# Allegro board buddy_lay_rev1.brd (continued)
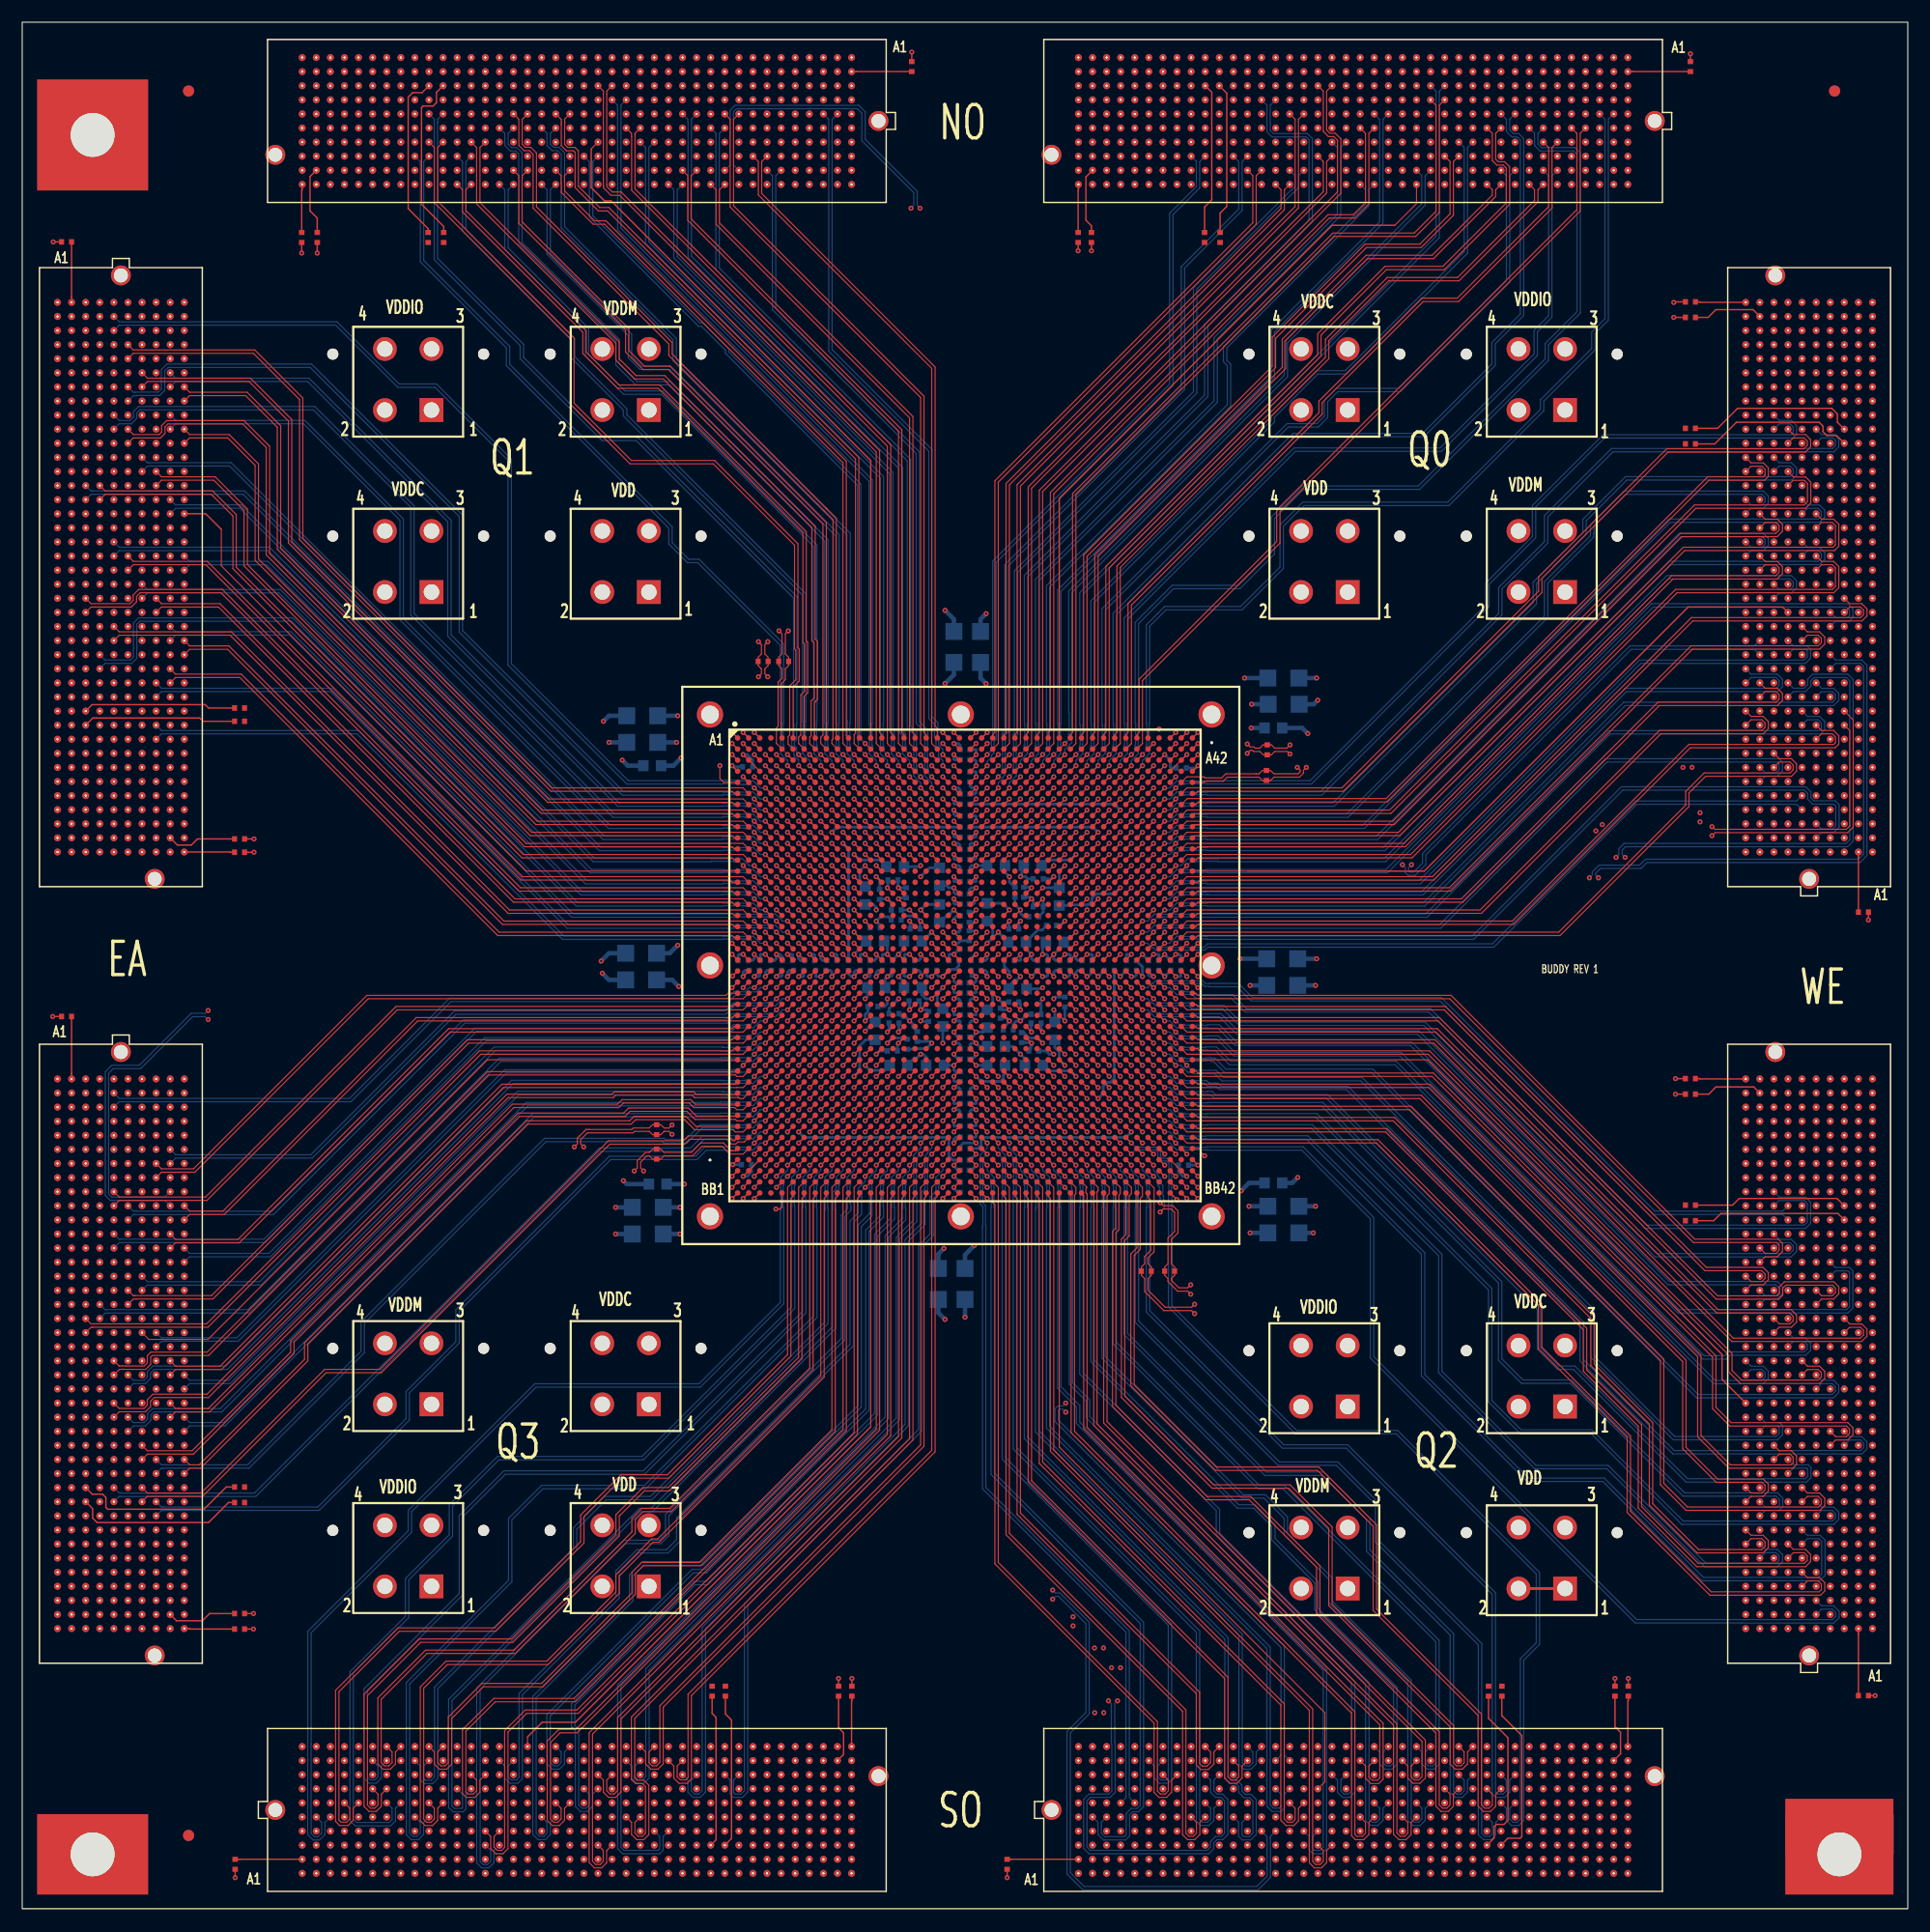
[diagram p0: board, top side]
## Routing (per net, layer and track width the routed paths; a pad name or vN(x,y) marks a point on that pad's centre or on a via; arc(x,y) is an arc through that point) (continued)
 122.69,10.8 ; J5.G23 123.17,10.33 ; 164.28,69.22 J4.C36 ; J4.C36 164.28,70.17 ; J4.C36 163.8,69.69 ; J4.C36 164.75,69.69 ; 12.87,25.24 J7.J40 ; J7.J40 13.35,24.77 ; J7.J40 13.35,25.72 ; J7.J40 13.82,25.24 ; 11.6,96.5 J8.H39 ; J8.H39 12.55,96.5 ; J8.H39 12.07,96.97 ; J8.H39 12.07,96.02 ; J2.J14 128.72,156.66 ; J2.J14 128.25,157.13 ; J2.J14 127.77,156.66 ; J2.J14 128.25,156.18 ; 71.76,10.8 J6.G38 ; J6.G38 72.71,10.8 ; J6.G38 72.23,11.28 ; J6.G38 72.23,10.33 ; 37.94,165.07 J1.B30 ; J1.B30 38.42,165.54 ; J1.B30 37.94,166.02 ; J1.B30 37.47,165.54 ; J2.H3 142.69,157.93 ; J2.H3 141.74,157.93 ; J2.H3 142.22,157.45 ; J2.H3 142.22,158.4 ; 3.19,64.61 3.66,64.61 ; 3.19,64.61 3.19,64.14 ; 3.19,64.61 3.19,65.09 ; 3.19,64.61 2.71,64.61 ; J1.F3 72.71,160.47 ; J1.F3 72.23,159.99 ; J1.F3 71.76,160.47 ; J1.F3 72.23,160.94 ; J1.C36 30.8,164.28 ; J1.C36 30.32,163.8 ; J1.C36 30.32,164.75 ; J1.C36 29.85,164.28 ; J2.J38 97.77,157.13 ; J2.J38 97.29,156.66 ; J2.J38 98.24,156.66 ; J2.J38 97.77,156.18 ; 164.28,53.98 J4.C24 ; J4.C24 164.75,54.45 ; J4.C24 164.28,54.93 ; J4.C24 163.8,54.45 ; 14.62,96.5 15.09,96.5 ; 14.62,96.5 14.62,96.02 ; 14.62,96.5 14.14,96.5 ; 14.62,96.5 14.62,96.97 ; J5.E26 127.45,8.27 ; J5.E26 126.98,7.79 ; J5.E26 126.5,8.27 ; J5.E26 126.98,8.74 ; 125.71,5.25 125.71,5.72 ; 125.71,5.72 125.23,5.72 ; 125.71,5.72 126.18,5.72 ; 125.71,5.72 125.71,6.2 ; J1.K21 49.85,155.38 ; J1.K21 49.37,154.91 ; J1.K21 49.37,155.86 ; J1.K21 48.9,155.38 ; 118.09,3.98 J5.B19 ; J5.B19 117.61,4.46 ; J5.B19 118.56,4.46 ; J5.B19 118.09,4.93 ; J4.F2 160.94,26.51 ; J4.F2 160.47,26.99 ; J4.F2 160.47,26.04 ; J4.F2 159.99,26.51 ; 68.42,162.53 J1.D6 ; J1.D6 68.42,163.48 ; J1.D6 68.9,163 ; J1.D6 67.95,163 ; 161.74,94.75 161.74,95.23 ; 161.74,95.23 161.26,95.23 ; 161.74,95.23 162.21,95.23 ; 161.74,95.23 161.74,95.7 ; 122.69,8.27 J5.E23 ; J5.E23 123.64,8.27 ; J5.E23 123.17,8.74 ; J5.E23 123.17,7.79 ; J2.F24 116.02,160.47 ; J2.F24 115.55,159.99 ; J2.F24 115.07,160.47 ; J2.F24 115.55,160.94 ; 12.87,39.21 J7.J29 ; J7.J29 13.82,39.21 ; J7.J29 13.35,39.69 ; J7.J29 13.35,38.74 ; J5.H6 102.05,12.07 ; J5.H6 101.1,12.07 ; J5.H6 101.58,12.55 ; J5.H6 101.58,11.6 ; 3.19,109.99 3.19,110.47 ; 3.19,110.47 3.66,110.47 ; 3.19,110.47 2.71,110.47 ; 3.19,110.47 3.19,110.94 ; J5.D7 102.85,7.47 ; J5.D7 103.32,7 ; J5.D7 102.37,7 ; J5.D7 102.85,6.52 ; J6.A32 65.09,3.19 ; J6.A32 64.61,2.71 ; J6.A32 64.61,3.66 ; J6.A32 64.14,3.19 ; 26.04,14.62 J6.K2 ; J6.K2 26.99,14.62 ; J6.K2 26.51,14.14 ; J6.K2 26.51,15.09 ; J2.H24 115.55,158.4 ; J2.H24 116.02,157.93 ; J2.H24 115.07,157.93 ; J2.H24 115.55,157.45 ; 45.56,5.72 46.04,5.72 ; 45.56,5.72 45.56,5.25 ; 45.56,5.72 45.56,6.2 ; 45.56,5.72 45.09,5.72 ; 29.05,12.87 29.05,13.35 ; 29.05,13.35 28.58,13.35 ; 29.05,13.35 29.05,13.82 ; 29.05,13.35 29.53,13.35 ; 35.4,14.14 J6.K9 ; J6.K9 35.88,14.62 ; J6.K9 34.93,14.62 ; J6.K9 35.4,15.09 ; J2.A5 140.15,166.81 ; J2.A5 139.2,166.81 ; J2.A5 139.68,166.34 ; J2.A5 139.68,167.29 ; 3.19,109.2 3.19,109.67 ; 3.19,109.2 2.71,109.2 ; 3.19,109.2 3.19,108.72 ; 3.19,109.2 3.66,109.2 ; J2.H39 96.97,157.93 ; J2.H39 96.02,157.93 ; J2.H39 96.5,158.4 ; J2.H39 96.5,157.45 ; 138.41,159.99 J2.F6 ; J2.F6 137.93,160.47 ; J2.F6 138.88,160.47 ; J2.F6 138.41,160.94 ; 163,32.39 J4.D7 ; J4.D7 163.48,32.86 ; J4.D7 163,33.34 ; J4.D7 162.53,32.86 ; J3.A9 167.29,105.39 ; J3.A9 166.81,105.86 ; J3.A9 166.34,105.39 ; J3.A9 166.81,104.91 ; 161.74,142.22 161.74,142.69 ; 161.74,142.22 161.74,141.74 ; 161.74,142.22 162.21,142.22 ; 161.74,142.22 161.26,142.22 ; 160.47,46.36 J4.F18 ; J4.F18 160.47,47.31 ; J4.F18 159.99,46.83 ; J4.F18 160.94,46.83 ; 4.46,96.02 4.46,96.5 ; 4.46,96.5 4.46,96.97 ; 4.46,96.5 3.98,96.5 ; 4.46,96.5 4.93,96.5 ; J5.A29 130.79,3.66 ; J5.A29 130.79,2.71 ; J5.A29 131.26,3.19 ; J5.A29 130.31,3.19 ; 155.38,50.17 J4.K21 ; J4.K21 155.86,50.64 ; J4.K21 155.38,51.12 ; J4.K21 154.91,50.64 ; J8.K6 15.09,138.41 ; J8.K6 14.62,137.93 ; J8.K6 14.62,138.88 ; J8.K6 14.14,138.41 ; 132.85,165.54 J2.B10 ; J2.B10 133.8,165.54 ; J2.B10 133.33,165.07 ; J2.B10 133.33,166.02 ; J1.C28 40.96,164.28 ; J1.C28 40.48,163.8 ; J1.C28 40.48,164.75 ; J1.C28 40.01,164.28 ; J4.B26 166.02,56.99 ; J4.B26 165.54,57.47 ; J4.B26 165.07,56.99 ; J4.B26 165.54,56.52 ; 5.72,119.36 5.72,119.83 ; 5.72,119.36 5.72,118.88 ; 5.72,119.36 6.2,119.36 ; 5.72,119.36 5.25,119.36 ; 144.76,12.87 J5.J40 ; J5.J40 144.76,13.82 ; J5.J40 144.28,13.35 ; J5.J40 145.23,13.35 ; 74.3,159.19 J1.G1 ; J1.G1 74.77,158.72 ; J1.G1 75.25,159.19 ; J1.G1 74.77,159.67 ; J4.K36 155.86,69.69 ; J4.K36 155.38,70.17 ; J4.K36 154.91,69.69 ; J4.K36 155.38,69.22 ; 25.24,13.35 25.72,13.35 ; 25.24,13.35 25.24,12.87 ; 25.24,13.35 24.77,13.35 ; 25.24,13.35 25.24,13.82 ; 73.5,14.62 73.5,15.09 ; 73.5,14.62 73.5,14.14 ; 73.5,14.62 73.03,14.62 ; 73.5,14.62 73.98,14.62 ; 5.25,70.96 5.72,70.96 ; 5.72,70.96 5.72,70.49 ; 5.72,70.96 6.2,70.96 ; 5.72,70.96 5.72,71.44 ; 11.6,45.56 J7.H24 ; J7.H24 12.07,45.09 ; J7.H24 12.55,45.56 ; J7.H24 12.07,46.04 ; 165.54,126.5 J3.B26 ; J3.B26 166.02,126.98 ; J3.B26 165.07,126.98 ; J3.B26 165.54,127.45 ; J1.B11 62.07,166.02 ; J1.B11 62.07,165.07 ; J1.B11 61.6,165.54 ; J1.B11 62.55,165.54 ; 58.26,14.62 58.74,14.62 ; 58.26,14.62 58.26,14.14 ; 58.26,14.62 57.79,14.62 ; 58.26,14.62 58.26,15.09 ; 49.37,3.19 49.85,3.19 ; 49.37,3.19 49.37,2.71 ; 49.37,3.19 48.9,3.19 ; 49.37,3.19 49.37,3.66 ; J6.K21 51.12,14.62 ; J6.K21 50.17,14.62 ; J6.K21 50.64,14.14 ; J6.K21 50.64,15.09 ; J17.1 38.14,45.45 ; J17.1 35.66,45.45 ; J17.1 36.9,46.69 ; J17.1 36.9,44.21 ; 161.74,45.56 161.74,46.04 ; 161.74,45.56 162.21,45.56 ; 161.74,45.56 161.74,45.09 ; 161.74,45.56 161.26,45.56 ; 156.18,142.22 J3.J38 ; J3.J38 156.66,141.74 ; J3.J38 157.13,142.22 ; J3.J38 156.66,142.69 ; 161.74,34.13 162.21,34.13 ; 161.74,34.13 161.74,34.61 ; 161.74,34.13 161.26,34.13 ; 161.74,34.13 161.74,33.66 ; J6.D16 44.77,7 ; J6.D16 44.29,7.47 ; J6.D16 43.82,7 ; J6.D16 44.29,6.52 ; 10.8,65.88 11.28,65.88 ; 10.8,65.88 10.8,66.36 ; 10.8,65.88 10.33,65.88 ; 10.8,65.88 10.8,65.41 ; J5.B22 121.9,4.93 ; J5.B22 122.37,4.46 ; J5.B22 121.42,4.46 ; J5.B22 121.9,3.98 ; 53.18,157.45 J1.H18 ; J1.H18 52.71,157.93 ; J1.H18 53.66,157.93 ; J1.H18 53.18,158.4 ; J3.G14 159.19,112.21 ; J3.G14 159.19,111.26 ; J3.G14 158.72,111.74 ; J3.G14 159.67,111.74 ; 164.28,109.99 J3.C13 ; J3.C13 163.8,110.47 ; J3.C13 164.28,110.94 ; J3.C13 164.75,110.47 ; 161.74,56.52 161.74,56.99 ; 161.74,56.99 161.74,57.47 ; 161.74,56.99 161.26,56.99 ; 161.74,56.99 162.21,56.99 ; 60.33,10.8 J6.G29 ; J6.G29 60.8,11.28 ; J6.G29 61.28,10.8 ; J6.G29 60.8,10.33 ; 53.98,5.72 54.45,5.72 ; 54.45,5.72 54.93,5.72 ; 54.45,5.72 54.45,5.25 ; 54.45,5.72 54.45,6.2 ; 5.72,134.6 6.2,134.6 ; 5.72,134.6 5.25,134.6 ; 5.72,134.6 5.72,135.07 ; 5.72,134.6 5.72,134.12 ; 64.14,157.93 J1.H9 ; J1.H9 65.09,157.93 ; J1.H9 64.61,157.45 ; J1.H9 64.61,158.4 ; J4.A1 167.29,25.24 ; J4.A1 166.81,24.77 ; J4.A1 166.34,25.24 ; J4.A1 166.81,25.72 ; 113.01,161.26 113.01,161.74 ; 113.01,161.74 112.53,161.74 ; 113.01,161.74 113.01,162.21 ; 113.01,161.74 113.48,161.74 ; J3.A29 166.81,131.26 ; J3.A29 167.29,130.79 ; J3.A29 166.81,130.31 ; J3.A29 166.34,130.79 ; 161.74,24.77 161.74,25.24 ; 161.74,25.24 161.74,25.72 ; 161.74,25.24 162.21,25.24 ; 161.74,25.24 161.26,25.24 ; 27.78,165.07 J1.B38 ; J1.B38 27.31,165.54 ; J1.B38 27.78,166.02 ; J1.B38 28.26,165.54 ; 120.15,164.28 J2.C20 ; J2.C20 121.1,164.28 ; J2.C20 120.63,164.75 ; J2.C20 120.63,163.8 ; 38.74,5.72 39.21,5.72 ; 39.21,5.72 39.69,5.72 ; 39.21,5.72 39.21,5.25 ; 39.21,5.72 39.21,6.2 ; J3.K33 155.86,135.87 ; J3.K33 155.38,135.39 ; J3.K33 155.38,136.34 ; J3.K33 154.91,135.87 ; 6.52,138.41 J8.D6 ; J8.D6 7,138.88 ; J8.D6 7,137.93 ; J8.D6 7.47,138.41 ; 161.74,99.04 161.74,99.51 ; 161.74,99.04 162.21,99.04 ; 161.74,99.04 161.74,98.56 ; 161.74,99.04 161.26,99.04 ; J7.J17 13.35,54.93 ; J7.J17 13.35,53.98 ; J7.J17 13.82,54.45 ; J7.J17 12.87,54.45 ; J3.H33 158.4,135.87 ; J3.H33 157.45,135.87 ; J3.H33 157.93,136.34 ; J3.H33 157.93,135.39 ; 156.18,37.94 J4.J11 ; J4.J11 157.13,37.94 ; J4.J11 156.66,37.47 ; J4.J11 156.66,38.42 ; 165.07,63.34 J4.B31 ; J4.B31 165.54,62.87 ; J4.B31 166.02,63.34 ; J4.B31 165.54,63.82 ; 6.52,63.34 J7.D10 ; J7.D10 7,63.82 ; J7.D10 7.47,63.34 ; J7.D10 7,62.87 ; J4.J8 157.13,34.13 ; J4.J8 156.66,33.66 ; J4.J8 156.18,34.13 ; J4.J8 156.66,34.61 ; J8.J32 13.35,105.86 ; J8.J32 13.82,105.39 ; J8.J32 13.35,104.91 ; J8.J32 12.87,105.39 ; J7.G20 10.8,51.12 ; J7.G20 11.28,50.64 ; J7.G20 10.8,50.17 ; J7.G20 10.33,50.64 ; J2.H15 126.98,158.4 ; J2.H15 126.5,157.93 ; J2.H15 127.45,157.93 ; J2.H15 126.98,157.45 ; 3.19,139.68 3.19,140.15 ; 3.19,139.68 3.66,139.68 ; 3.19,139.68 3.19,139.2 ; 3.19,139.68 2.71,139.68 ; 161.74,100.31 161.74,100.78 ; 161.74,100.31 161.74,99.83 ; 161.74,100.31 161.26,100.31 ; 161.74,100.31 162.21,100.31 ; J6.H36 70.17,12.07 ; J6.H36 69.22,12.07 ; J6.H36 69.69,12.55 ; J6.H36 69.69,11.6 ; J2.J20 120.63,157.13 ; J2.J20 120.63,156.18 ; J2.J20 121.1,156.66 ; J2.J20 120.15,156.66 ; 8.27,42.55 J7.E26 ; J7.E26 8.27,43.5 ; J7.E26 8.74,43.02 ; J7.E26 7.79,43.02 ; 5.72,114.28 5.72,114.75 ; 5.72,114.28 5.72,113.8 ; 5.72,114.28 6.2,114.28 ; 5.72,114.28 5.25,114.28 ; 104.12,154.91 J2.K33 ; J2.K33 104.12,155.86 ; J2.K33 103.64,155.38 ; J2.K33 104.59,155.38 ; 156.18,68.42 J4.J35 ; J4.J35 157.13,68.42 ; J4.J35 156.66,68.9 ; J4.J35 156.66,67.95 ; J6.H33 65.88,12.55 ; J6.H33 65.88,11.6 ; J6.H33 65.41,12.07 ; J6.H33 66.36,12.07 ; 7,43.82 J7.D25 ; J7.D25 7,44.77 ; J7.D25 7.47,44.29 ; J7.D25 6.52,44.29 ; J3.H2 158.4,96.5 ; J3.H2 157.93,96.02 ; J3.H2 157.45,96.5 ; J3.H2 157.93,96.97 ; 9.06,72.23 J7.F3 ; J7.F3 9.54,71.76 ; J7.F3 10.01,72.23 ; J7.F3 9.54,72.71 ; J3.B27 166.02,128.25 ; J3.B27 165.07,128.25 ; J3.B27 165.54,128.72 ; J3.B27 165.54,127.77 ; J6.K15 43.5,14.62 ; J6.K15 43.02,14.14 ; J6.K15 43.02,15.09 ; J6.K15 42.55,14.62 ; J2.F36 100.31,160.94 ; J2.F36 99.83,160.47 ; J2.F36 100.78,160.47 ; J2.F36 100.31,159.99 ; 165.54,57.79 J4.B27 ; J4.B27 165.07,58.26 ; J4.B27 165.54,58.74 ; J4.B27 166.02,58.26 ; J1.C38 27.78,164.75 ; J1.C38 27.31,164.28 ; J1.C38 27.78,163.8 ; J1.C38 28.26,164.28 ; J2.K39 96.97,155.38 ; J2.K39 96.5,155.86 ; J2.K39 96.02,155.38 ; J2.K39 96.5,154.91 ; 34.93,5.72 35.4,5.72 ; 35.4,5.72 35.4,6.2 ; 35.4,5.72 35.4,5.25 ; 35.4,5.72 35.88,5.72 ; J2.H27 112.21,157.93 ; J2.H27 111.74,158.4 ; J2.H27 111.74,157.45 ; J2.H27 111.26,157.93 ; J3.J1 157.13,95.23 ; J3.J1 156.18,95.23 ; J3.J1 156.66,94.75 ; J3.J1 156.66,95.7 ; 35.4,3.19 35.88,3.19 ; 35.4,3.19 35.4,2.71 ; 35.4,3.19 34.93,3.19 ; 35.4,3.19 35.4,3.66 ; 24.77,8.27 25.24,8.27 ; 25.24,8.27 25.24,8.74 ; 25.24,8.27 25.24,7.79 ; 25.24,8.27 25.72,8.27 ; 165.54,132.85 J3.B31 ; J3.B31 166.02,133.33 ; J3.B31 165.54,133.8 ; J3.B31 165.07,133.33 ; 45.56,2.71 45.56,3.19 ; 45.56,3.19 46.04,3.19 ; 45.56,3.19 45.56,3.66 ; 45.56,3.19 45.09,3.19 ; 55.72,5.25 55.72,5.72 ; 55.72,5.72 55.72,6.2 ; 55.72,5.72 55.25,5.72 ; 55.72,5.72 56.2,5.72 ; J2.F2 143.49,160.94 ; J2.F2 143.01,160.47 ; J2.F2 143.96,160.47 ; J2.F2 143.49,159.99 ; 13.35,57.79 J7.J14 ; J7.J14 13.82,58.26 ; J7.J14 12.87,58.26 ; J7.J14 13.35,58.74 ; J8.B15 4.93,126.98 ; J8.B15 4.46,126.5 ; J8.B15 3.98,126.98 ; J8.B15 4.46,127.45 ; J2.G8 136.34,159.19 ; J2.G8 135.87,158.72 ; J2.G8 135.87,159.67 ; J2.G8 135.39,159.19 ; 113.8,7 J5.D16 ; J5.D16 114.28,6.52 ; J5.D16 114.28,7.47 ; J5.D16 114.75,7 ; J8.B14 4.46,128.72 ; J8.B14 4.93,128.25 ; J8.B14 3.98,128.25 ; J8.B14 4.46,127.77 ; 159.99,54.45 J4.F24 ; J4.F24 160.47,54.93 ; J4.F24 160.47,53.98 ; J4.F24 160.94,54.45 ; J4.B18 165.54,47.31 ; J4.B18 165.54,46.36 ; J4.B18 165.07,46.83 ; J4.B18 166.02,46.83 ; 52.3,44.21 J18.2 ; J18.2 51.06,45.45 ; J18.2 53.54,45.45 ; J18.2 52.3,46.69 ; J2.A4 141.42,166.81 ; J2.A4 140.95,167.29 ; J2.A4 140.47,166.81 ; J2.A4 140.95,166.34 ; 7.79,116.82 J8.E23 ; J8.E23 8.27,117.29 ; J8.E23 8.27,116.34 ; J8.E23 8.74,116.82 ; 111.26,160.47 J2.F27 ; J2.F27 111.74,159.99 ; J2.F27 112.21,160.47 ; J2.F27 111.74,160.94 ; 139.2,14.62 139.68,14.62 ; 139.68,14.62 140.15,14.62 ; 139.68,14.62 139.68,14.14 ; 139.68,14.62 139.68,15.09 ; 27.78,6.52 J6.D3 ; J6.D3 27.78,7.47 ; J6.D3 28.26,7 ; J6.D3 27.31,7 ; J2.G23 116.82,159.67 ; J2.G23 116.82,158.72 ; J2.G23 117.29,159.19 ; J2.G23 116.34,159.19 ; J4.D22 163,52.39 ; J4.D22 163.48,51.91 ; J4.D22 162.53,51.91 ; J4.D22 163,51.44 ; J2.G26 113.01,159.67 ; J2.G26 113.48,159.19 ; J2.G26 113.01,158.72 ; J2.G26 112.53,159.19 ; J8.D7 7.47,137.14 ; J8.D7 7,136.66 ; J8.D7 7,137.61 ; J8.D7 6.52,137.14 ; 160.47,69.22 J4.F36 ; J4.F36 159.99,69.69 ; J4.F36 160.94,69.69 ; J4.F36 160.47,70.17 ; J4.D10 163,37.15 ; J4.D10 162.53,36.67 ; J4.D10 163.48,36.67 ; J4.D10 163,36.2 ; 5.72,129.52 6.2,129.52 ; 5.72,129.52 5.72,129.04 ; 5.72,129.52 5.72,129.99 ; 5.72,129.52 5.25,129.52 ; 137.86,135.05 J14.1 ; J14.1 139.1,136.29 ; J14.1 139.1,133.81 ; J14.1 140.34,135.05 ; J5.A37 140.95,3.66 ; J5.A37 140.47,3.19 ; J5.A37 141.42,3.19 ; J5.A37 140.95,2.71 ; 161.74,107.45 161.74,107.93 ; 161.74,107.93 161.74,108.4 ; 161.74,107.93 162.21,107.93 ; 161.74,107.93 161.26,107.93 ; J5.B3 98.24,4.46 ; J5.B3 97.77,3.98 ; J5.B3 97.29,4.46 ; J5.B3 97.77,4.93 ; J6.J38 72.71,13.35 ; J6.J38 72.23,12.87 ; J6.J38 72.23,13.82 ; J6.J38 71.76,13.35 ; 125.71,2.71 125.71,3.19 ; 125.71,3.19 125.71,3.66 ; 125.71,3.19 125.23,3.19 ; 125.71,3.19 126.18,3.19 ; J4.G29 159.67,60.8 ; J4.G29 159.19,61.28 ; J4.G29 158.72,60.8 ; J4.G29 159.19,60.33 ; 10.8,53.98 J7.G17 ; J7.G17 10.8,54.93 ; J7.G17 10.33,54.45 ; J7.G17 11.28,54.45 ; 4.46,97.29 4.46,97.77 ; 4.46,97.77 3.98,97.77 ; 4.46,97.77 4.46,98.24 ; 4.46,97.77 4.93,97.77 ; 9.54,26.04 9.54,26.51 ; 9.54,26.51 10.01,26.51 ; 9.54,26.51 9.54,26.99 ; 9.54,26.51 9.06,26.51 ; 54.45,14.14 J6.K24 ; J6.K24 54.93,14.62 ; J6.K24 53.98,14.62 ; J6.K24 54.45,15.09 ; 7,26.51 7.47,26.51 ; 7,26.51 7,26.04 ; 7,26.51 7,26.99 ; 7,26.51 6.52,26.51 ; 59.53,2.71 J6.A28 ; J6.A28 59.53,3.66 ; J6.A28 60.01,3.19 ; J6.A28 59.06,3.19 ; 57.79,9.54 58.26,9.54 ; 58.26,9.54 58.74,9.54 ; 58.26,9.54 58.26,9.06 ; 58.26,9.54 58.26,10.01 ; 3.19,44.29 3.19,44.77 ; 3.19,44.29 3.19,43.82 ; 3.19,44.29 3.66,44.29 ; 3.19,44.29 2.71,44.29 ; J3.J14 157.13,111.74 ; J3.J14 156.66,112.21 ; J3.J14 156.18,111.74 ; J3.J14 156.66,111.26 ; J15.2 115.3,119.89 ; J15.2 114.06,118.65 ; J15.2 116.54,118.65 ; J15.2 115.3,117.41 ; 62.07,4.46 62.55,4.46 ; 62.07,4.46 62.07,3.98 ; 62.07,4.46 61.6,4.46 ; 62.07,4.46 62.07,4.93 ; 118.88,160.47 J2.F21 ; J2.F21 119.83,160.47 ; J2.F21 119.36,159.99 ; J2.F21 119.36,160.94 ; 46.83,158.72 J1.G23 ; J1.G23 46.36,159.19 ; J1.G23 47.31,159.19 ; J1.G23 46.83,159.67 ; 13.35,139.68 13.35,140.15 ; 13.35,139.68 13.35,139.2 ; 13.35,139.68 12.87,139.68 ; 13.35,139.68 13.82,139.68 ; J3.H9 158.4,105.39 ; J3.H9 157.93,104.91 ; J3.H9 157.93,105.86 ; J3.H9 157.45,105.39 ; 165.07,143.49 J3.B39 ; J3.B39 166.02,143.49 ; J3.B39 165.54,143.01 ; J3.B39 165.54,143.96 ; J8.G23 10.8,117.29 ; J8.G23 10.8,116.34 ; J8.G23 11.28,116.82 ; J8.G23 10.33,116.82 ; 52.3,27.81 J20.2 ; J20.2 52.3,30.29 ; J20.2 53.54,29.05 ; J20.2 51.06,29.05 ; 162.53,96.5 J3.D2 ; J3.D2 163,96.97 ; J3.D2 163,96.02 ; J3.D2 163.48,96.5 ; 119.36,5.72 119.83,5.72 ; 119.36,5.72 118.88,5.72 ; 119.36,5.72 119.36,6.2 ; 119.36,5.72 119.36,5.25 ; 41.28,10.8 41.75,10.8 ; 41.75,10.8 42.23,10.8 ; 41.75,10.8 41.75,10.33 ; 41.75,10.8 41.75,11.28 ; 9.54,29.85 9.54,30.32 ; 9.54,30.32 10.01,30.32 ; 9.54,30.32 9.06,30.32 ; 9.54,30.32 9.54,30.8 ; 5.72,27.31 J7.C38 ; J7.C38 6.2,27.78 ; J7.C38 5.72,28.26 ; J7.C38 5.25,27.78 ; J8.B10 4.93,133.33 ; J8.B10 3.98,133.33 ; J8.B10 4.46,133.8 ; J8.B10 4.46,132.85 ; 13.35,61.6 J7.J11 ; J7.J11 13.82,62.07 ; J7.J11 13.35,62.55 ; J7.J11 12.87,62.07 ; J3.D25 163,126.18 ; J3.D25 162.53,125.71 ; J3.D25 163.48,125.71 ; J3.D25 163,125.23 ; 123.17,165.07 J2.B18 ; J2.B18 123.17,166.02 ; J2.B18 122.69,165.54 ; J2.B18 123.64,165.54 ; J3.A25 166.81,126.18 ; J3.A25 167.29,125.71 ; J3.A25 166.81,125.23 ; J3.A25 166.34,125.71 ; 4.46,36.2 J7.B31 ; J7.B31 4.93,36.67 ; J7.B31 3.98,36.67 ; J7.B31 4.46,37.15 ; J4.C16 164.28,44.77 ; J4.C16 163.8,44.29 ; J4.C16 164.28,43.82 ; J4.C16 164.75,44.29 ; 55.26,45.45 J18.1 ; J18.1 56.5,46.69 ; J18.1 57.74,45.45 ; J18.1 56.5,44.21 ; 7.79,74.77 8.27,74.77 ; 8.27,74.77 8.27,75.25 ; 8.27,74.77 8.74,74.77 ; 8.27,74.77 8.27,74.3 ; 3.98,68.42 J7.B6 ; J7.B6 4.93,68.42 ; J7.B6 4.46,68.9 ; J7.B6 4.46,67.95 ; 115.55,3.19 115.55,3.66 ; 115.55,3.19 115.55,2.71 ; 115.55,3.19 116.02,3.19 ; 115.55,3.19 115.07,3.19 ; 5.72,130.79 5.72,131.26 ; 5.72,130.79 5.72,130.31 ; 5.72,130.79 6.2,130.79 ; 5.72,130.79 5.25,130.79 ; J8.J38 13.82,97.77 ; J8.J38 12.87,97.77 ; J8.J38 13.35,97.29 ; J8.J38 13.35,98.24 ; 129.52,166.34 J2.A13 ; J2.A13 129.04,166.81 ; J2.A13 129.52,167.29 ; J2.A13 129.99,166.81 ; 107.93,8.27 107.93,8.74 ; 107.93,8.27 107.45,8.27 ; 107.93,8.27 108.4,8.27 ; 107.93,8.27 107.93,7.79 ; 143.49,14.14 143.49,14.62 ; 143.49,14.62 143.01,14.62 ; 143.49,14.62 143.49,15.09 ; 143.49,14.62 143.96,14.62 ; J8.G38 11.28,97.77 ; J8.G38 10.8,98.24 ; J8.G38 10.8,97.29 ; J8.G38 10.33,97.77 ; 116.34,14.62 J5.K18 ; J5.K18 116.82,14.14 ; J5.K18 117.29,14.62 ; J5.K18 116.82,15.09 ; 104.91,156.66 J2.J32 ; J2.J32 105.86,156.66 ; J2.J32 105.39,156.18 ; J2.J32 105.39,157.13 ; 159.99,135.87 J3.F33 ; J3.F33 160.47,136.34 ; J3.F33 160.47,135.39 ; J3.F33 160.94,135.87 ; 139.2,9.54 139.68,9.54 ; 139.68,9.54 139.68,9.06 ; 139.68,9.54 139.68,10.01 ; 139.68,9.54 140.15,9.54 ; J4.G23 159.67,53.18 ; J4.G23 159.19,52.71 ; J4.G23 159.19,53.66 ; J4.G23 158.72,53.18 ; 5.25,35.4 J7.C32 ; J7.C32 6.2,35.4 ; J7.C32 5.72,35.88 ; J7.C32 5.72,34.93 ; 156.18,123.17 J3.J23 ; J3.J23 156.66,122.69 ; J3.J23 157.13,123.17 ; J3.J23 156.66,123.64 ; J4.C1 164.75,25.24 ; J4.C1 164.28,24.77 ; J4.C1 163.8,25.24 ; J4.C1 164.28,25.72 ; 5.25,34.13 J7.C33 ; J7.C33 5.72,33.66 ; J7.C33 6.2,34.13 ; J7.C33 5.72,34.61 ; 41.75,8.27 41.75,8.74 ; 41.75,8.27 41.28,8.27 ; 41.75,8.27 42.23,8.27 ; 41.75,8.27 41.75,7.79 ; 156.66,60.33 J4.J29 ; J4.J29 156.66,61.28 ; J4.J29 156.18,60.8 ; J4.J29 157.13,60.8 ; 7.79,69.69 8.27,69.69 ; 8.27,69.69 8.74,69.69 ; 8.27,69.69 8.27,69.22 ; 8.27,69.69 8.27,70.17 ; J2.F9 135.07,160.47 ; J2.F9 134.12,160.47 ; J2.F9 134.6,159.99 ; J2.F9 134.6,160.94 ; 37.47,4.46 J6.B11 ; J6.B11 37.94,3.98 ; J6.B11 38.42,4.46 ; J6.B11 37.94,4.93 ; J1.A9 64.61,167.29 ; J1.A9 65.09,166.81 ; J1.A9 64.14,166.81 ; J1.A9 64.61,166.34 ; 157.45,46.83 J4.H18 ; J4.H18 158.4,46.83 ; J4.H18 157.93,46.36 ; J4.H18 157.93,47.31 ; J3.C17 164.75,115.55 ; J3.C17 163.8,115.55 ; J3.C17 164.28,116.02 ; J3.C17 164.28,115.07 ; 7.79,139.68 8.27,139.68 ; 8.27,139.68 8.27,140.15 ; 8.27,139.68 8.74,139.68 ; 8.27,139.68 8.27,139.2 ; J7.G32 10.8,35.88 ; J7.G32 11.28,35.4 ; J7.G32 10.8,34.93 ; J7.G32 10.33,35.4 ; J8.D13 7.47,129.52 ; J8.D13 7,129.99 ; J8.D13 7,129.04 ; J8.D13 6.52,129.52 ; 134.9,133.81 J14.2 ; J14.2 136.14,135.05 ; J14.2 133.66,135.05 ; J14.2 134.9,136.29 ; 144.28,3.19 J5.A40 ; J5.A40 144.76,3.66 ; J5.A40 145.23,3.19 ; J5.A40 144.76,2.71 ; 11.6,143.49 J8.H2 ; J8.H2 12.07,143.01 ; J8.H2 12.55,143.49 ; J8.H2 12.07,143.96 ; 8.27,108.72 J8.E29 ; J8.E29 8.74,109.2 ; J8.E29 7.79,109.2 ; J8.E29 8.27,109.67 ; 163.8,35.4 J4.C9 ; J4.C9 164.75,35.4 ; J4.C9 164.28,35.88 ; J4.C9 164.28,34.93 ; 29.85,160.47 J1.F36 ; J1.F36 30.32,159.99 ; J1.F36 30.32,160.94 ; J1.F36 30.8,160.47 ; J7.K30 14.62,38.42 ; J7.K30 15.09,37.94 ; J7.K30 14.62,37.47 ; J7.K30 14.14,37.94 ; J2.D19 122.37,163 ; J2.D19 121.9,163.48 ; J2.D19 121.9,162.53 ; J2.D19 121.42,163 ; 7.79,140.95 8.27,140.95 ; 8.27,140.95 8.27,141.42 ; 8.27,140.95 8.27,140.47 ; 8.27,140.95 8.74,140.95 ; 48.1,165.07 J1.B22 ; J1.B22 48.58,165.54 ; J1.B22 47.63,165.54 ; J1.B22 48.1,166.02 ; J4.G14 159.19,42.23 ; J4.G14 159.19,41.28 ; J4.G14 159.67,41.75 ; J4.G14 158.72,41.75 ; J1.K33 34.13,155.86 ; J1.K33 34.13,154.91 ; J1.K33 33.66,155.38 ; J1.K33 34.61,155.38 ; 159.99,97.77 J3.F3 ; J3.F3 160.47,97.29 ; J3.F3 160.47,98.24 ; J3.F3 160.94,97.77 ; J4.J5 157.13,30.32 ; J4.J5 156.66,29.85 ; J4.J5 156.18,30.32 ; J4.J5 156.66,30.8 ; J3.B34 166.02,137.14 ; J3.B34 165.54,137.61 ; J3.B34 165.07,137.14 ; J3.B34 165.54,136.66 ; 54.45,156.18 J1.J17 ; J1.J17 53.98,156.66 ; J1.J17 